# KiCad board RP2350_60QFN_minimal.kicad_pcb
title: RP2350A QFN-60 Minimal Design Example; date: 2024-07-04; rev: REV3; company: Raspberry Pi Ltd
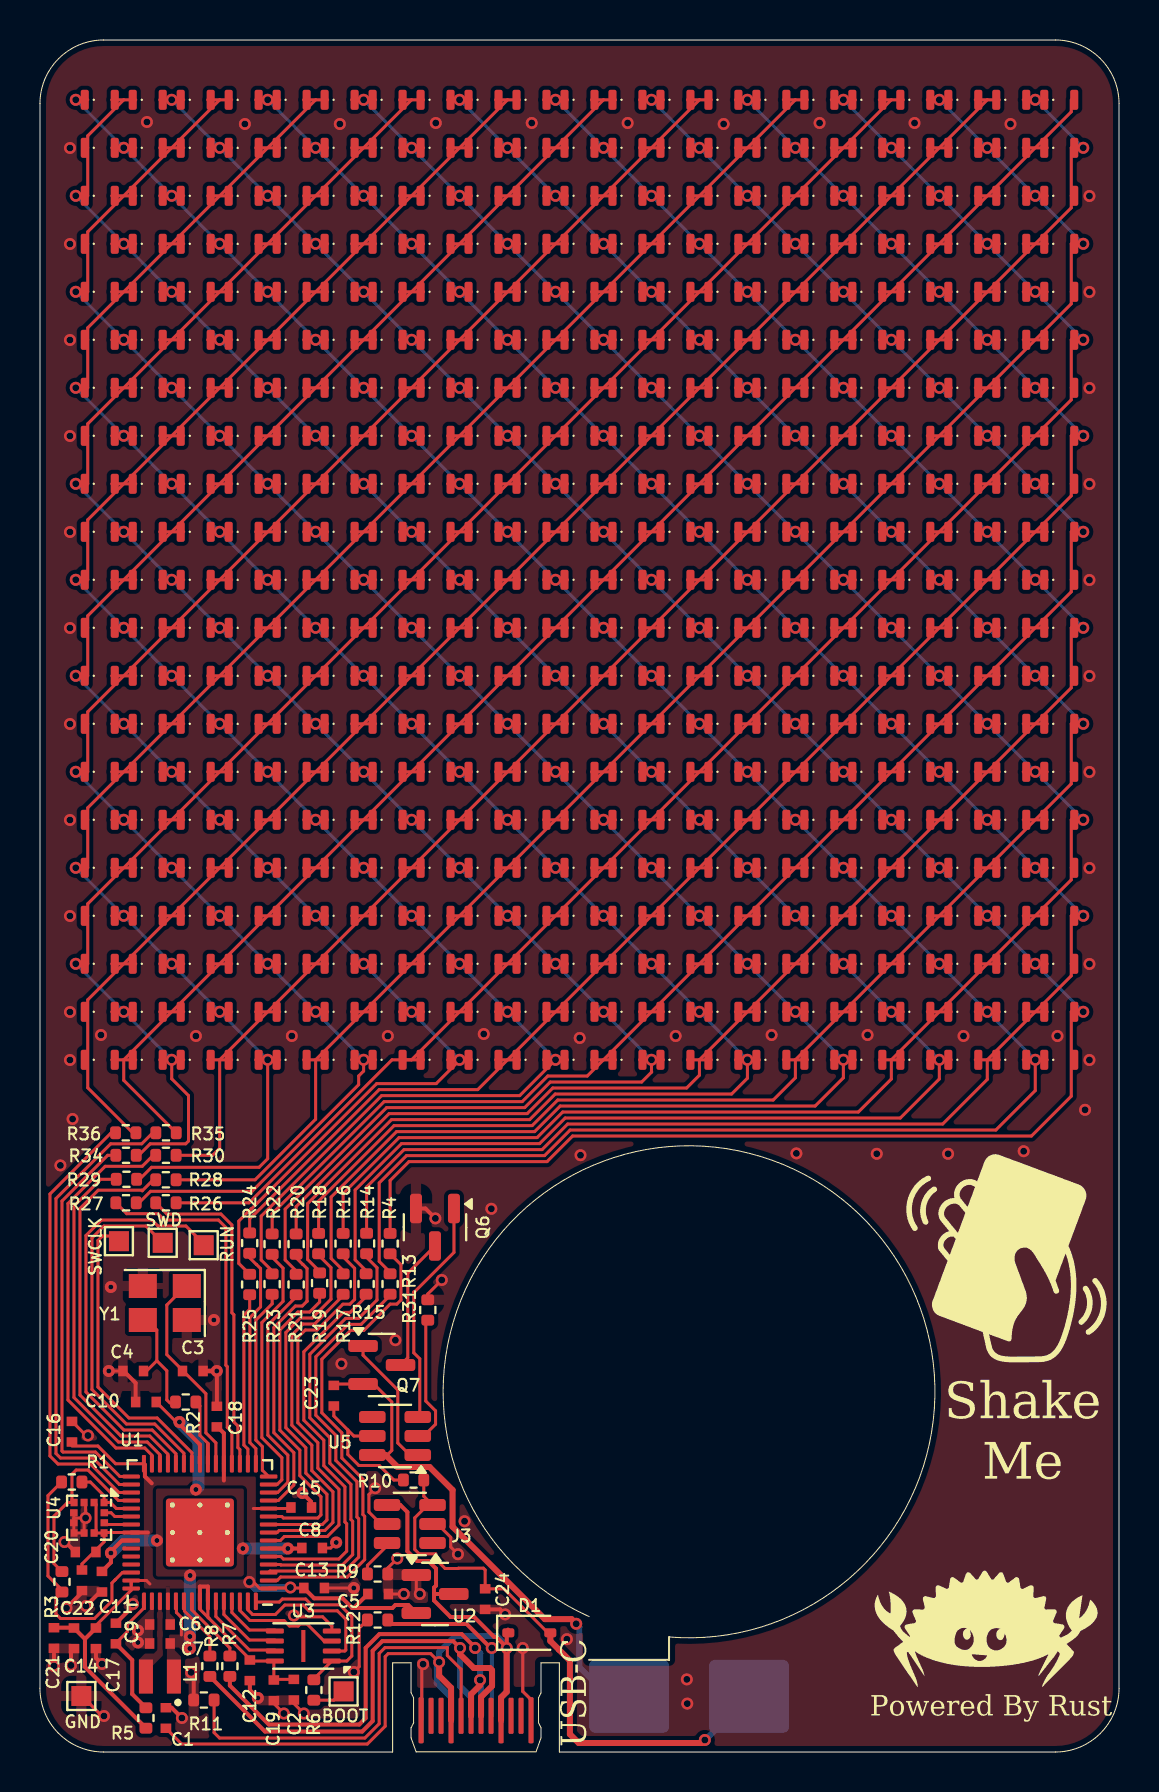
[diagram p0: board, top side]
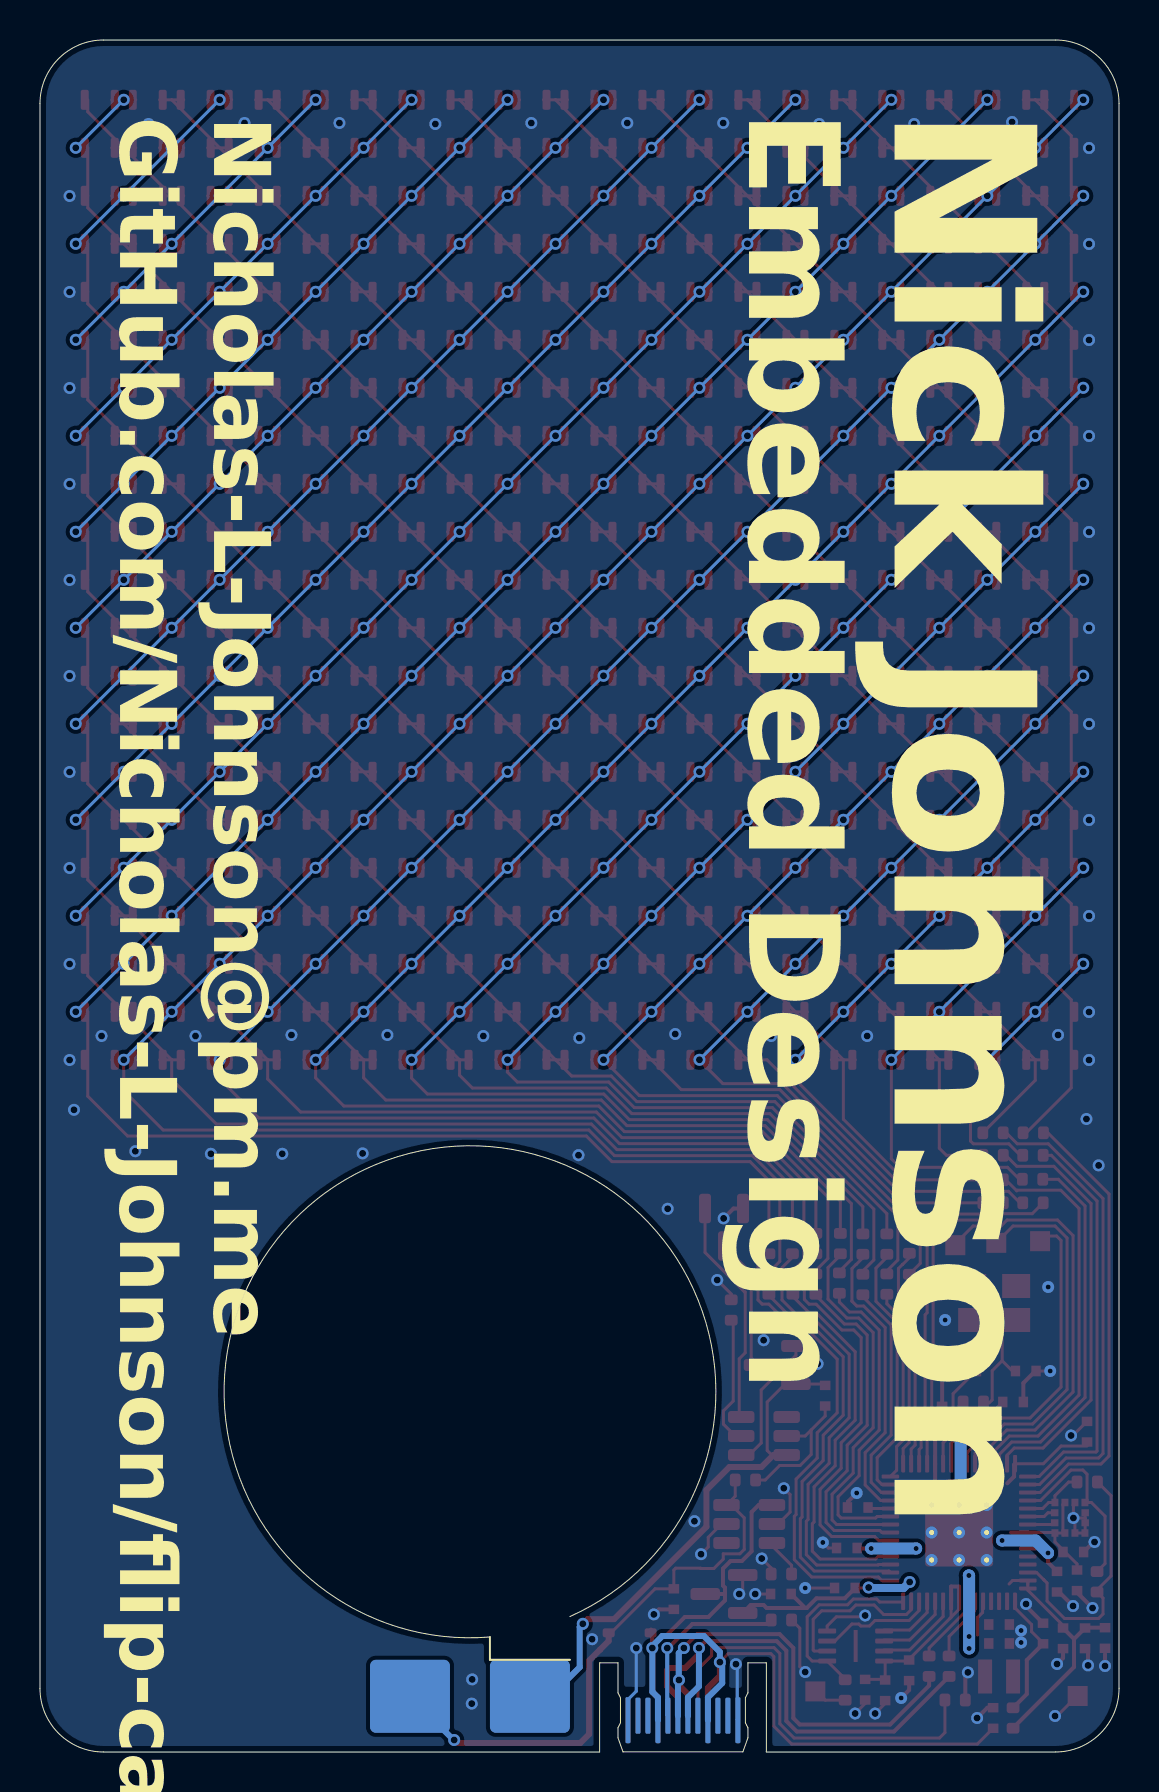
[diagram p1: board, bottom side, seen from below]

Outline 53.98 x 85.6 mm; copper layers: Top, Bottom. Coordinates in mm from the lower left corner of the outline.
Outline path: 18.57,4.46 17.64,4.46 17.64,0 3.18,0 arc(0.93,0.93) 0,3.18 0,82.42 arc(0.93,84.67) 3.18,85.6 50.8,85.6 arc(53.05,84.67) 53.98,82.42 53.98,3.18 arc(53.05,0.93) 50.8,0 25.98,0 25.98,4.46 25.07,4.46
Stack: Top 0.035mm / dielectric 0.51mm FR4 er 4.5 / Bottom 0.035mm

## Placement (name value [footprint] x y rotation side)
BOOT  TestPoint  [TestPoint_Pad_1.0x1.0mm]  15.19 3.03 0 top
BT1  Battery_Cell  [BatteryHolder_Custom]  32.47 18.01 270 top
C1  1u  [C_0402_1005Metric_small_pads]  6.3 1.7 90 top
C2  100n  [C_0402_1005Metric_small_pads]  12.7 3.11 270 top
C3  15p  [C_0402_1005Metric_small_pads]  7.64 19.05 0 top
C4  15p  [C_0402_1005Metric_small_pads]  4.67 19.05 180 top
C5  1u  [C_0402_1005Metric_small_pads]  16.91 7.9 0 top
C6  4.7u  [C_0402_1005Metric_small_pads]  6 6.38 180 top
C7  4.7u  [C_0402_1005Metric_small_pads]  6 5.42 180 top
C8  100n  [C_0402_1005Metric_small_pads]  13.62 10.2 0 top
C9  4.7u  [C_0402_1005Metric_small_pads]  3.8 5.92 90 top
C10  4.7u  [C_0402_1005Metric_small_pads]  5.3 17.5 180 top
C11  100n  [C_0402_1005Metric_small_pads]  3.1 8.52 270 top
C12  100n  [C_0402_1005Metric_small_pads]  10.5 4.08 270 top
C13  100n  [C_0402_1005Metric_small_pads]  13.71 8.2 0 top
C14  100n  [C_0402_1005Metric_small_pads]  1.7 5.68 270 top
C15  100n  [C_0402_1005Metric_small_pads]  13.07 12.22 0 top
C16  100n  [C_0402_1005Metric_small_pads]  1.6 16.02 90 top
C17  100n  [C_0402_1005Metric_small_pads]  2.8 5.68 270 top
C18  100n  [C_0402_1005Metric_small_pads]  8.85 16.77 90 top
C19  10u  [C_0402_1005Metric_small_pads]  11.7 3.08 270 top
C20  100n  [C_0402_1005Metric_small_pads]  2.29 10 0 top
C21  100n  [C_0402_1005Metric_small_pads]  0.7 5.7 90 top
C22  10u  [C_0402_1005Metric_small_pads]  2.1 8.58 270 top
C23  100n  [C_0402_1005Metric_small_pads]  14.7 17.81 90 top
C24  1u  [C_0402_1005Metric_small_pads]  22.27 7.64 270 top
D1  Schottky Diode  [D_SOD-323]  24.48 5.96 0 top
D101  LED  [LED_0603_1608Metric]  2.99 34.61 0 top
D102  LED  [LED_0603_1608Metric]  2.99 37.01 0 top
D103  LED  [LED_0603_1608Metric]  2.99 39.41 0 top
D104  LED  [LED_0603_1608Metric]  2.99 41.81 0 top
D105  LED  [LED_0603_1608Metric]  2.99 44.21 0 top
D106  LED  [LED_0603_1608Metric]  2.99 46.61 0 top
D107  LED  [LED_0603_1608Metric]  2.99 49.01 0 top
D108  LED  [LED_0603_1608Metric]  2.99 51.41 0 top
D109  LED  [LED_0603_1608Metric]  2.99 53.81 0 top
D110  LED  [LED_0603_1608Metric]  2.99 56.21 0 top
D111  LED  [LED_0603_1608Metric]  2.99 58.61 0 top
D112  LED  [LED_0603_1608Metric]  2.99 61.01 0 top
D113  LED  [LED_0603_1608Metric]  2.99 63.41 0 top
D114  LED  [LED_0603_1608Metric]  2.99 65.81 0 top
D115  LED  [LED_0603_1608Metric]  2.99 68.21 0 top
D116  LED  [LED_0603_1608Metric]  2.99 70.61 0 top
D117  LED  [LED_0603_1608Metric]  2.99 73.01 0 top
D118  LED  [LED_0603_1608Metric]  2.99 75.41 0 top
D119  LED  [LED_0603_1608Metric]  2.99 77.81 0 top
D120  LED  [LED_0603_1608Metric]  2.99 80.21 0 top
D121  LED  [LED_0603_1608Metric]  2.99 82.61 0 top
D122  LED  [LED_0603_1608Metric]  5.39 34.61 0 top
D123  LED  [LED_0603_1608Metric]  5.39 37.01 0 top
D124  LED  [LED_0603_1608Metric]  5.39 39.41 0 top
D125  LED  [LED_0603_1608Metric]  5.39 41.81 0 top
D126  LED  [LED_0603_1608Metric]  5.39 44.21 0 top
D127  LED  [LED_0603_1608Metric]  5.39 46.61 0 top
D128  LED  [LED_0603_1608Metric]  5.39 49.01 0 top
D129  LED  [LED_0603_1608Metric]  5.39 51.41 0 top
D130  LED  [LED_0603_1608Metric]  5.39 53.81 0 top
D131  LED  [LED_0603_1608Metric]  5.39 56.21 0 top
D132  LED  [LED_0603_1608Metric]  5.39 58.61 0 top
D133  LED  [LED_0603_1608Metric]  5.39 61.01 0 top
D134  LED  [LED_0603_1608Metric]  5.39 63.41 0 top
D135  LED  [LED_0603_1608Metric]  5.39 65.81 0 top
D136  LED  [LED_0603_1608Metric]  5.39 68.21 0 top
D137  LED  [LED_0603_1608Metric]  5.39 70.61 0 top
D138  LED  [LED_0603_1608Metric]  5.39 73.01 0 top
D139  LED  [LED_0603_1608Metric]  5.39 75.41 0 top
D140  LED  [LED_0603_1608Metric]  5.39 77.81 0 top
D141  LED  [LED_0603_1608Metric]  5.39 80.21 0 top
D142  LED  [LED_0603_1608Metric]  5.39 82.61 0 top
D143  LED  [LED_0603_1608Metric]  7.79 34.61 0 top
D144  LED  [LED_0603_1608Metric]  7.79 37.01 0 top
D145  LED  [LED_0603_1608Metric]  7.79 39.41 0 top
D146  LED  [LED_0603_1608Metric]  7.79 41.81 0 top
D147  LED  [LED_0603_1608Metric]  7.79 44.21 0 top
D148  LED  [LED_0603_1608Metric]  7.79 46.61 0 top
D149  LED  [LED_0603_1608Metric]  7.79 49.01 0 top
D150  LED  [LED_0603_1608Metric]  7.79 51.41 0 top
D151  LED  [LED_0603_1608Metric]  7.79 53.81 0 top
D152  LED  [LED_0603_1608Metric]  7.79 56.21 0 top
D153  LED  [LED_0603_1608Metric]  7.79 58.61 0 top
D154  LED  [LED_0603_1608Metric]  7.79 61.01 0 top
D155  LED  [LED_0603_1608Metric]  7.79 63.41 0 top
D156  LED  [LED_0603_1608Metric]  7.79 65.81 0 top
D157  LED  [LED_0603_1608Metric]  7.79 68.21 0 top
D158  LED  [LED_0603_1608Metric]  7.79 70.61 0 top
D159  LED  [LED_0603_1608Metric]  7.79 73.01 0 top
D160  LED  [LED_0603_1608Metric]  7.79 75.41 0 top
D161  LED  [LED_0603_1608Metric]  7.79 77.81 0 top
D162  LED  [LED_0603_1608Metric]  7.79 80.21 0 top
D163  LED  [LED_0603_1608Metric]  7.79 82.61 0 top
D164  LED  [LED_0603_1608Metric]  10.19 34.61 0 top
D165  LED  [LED_0603_1608Metric]  10.19 37.01 0 top
D166  LED  [LED_0603_1608Metric]  10.19 39.41 0 top
D167  LED  [LED_0603_1608Metric]  10.19 41.81 0 top
D168  LED  [LED_0603_1608Metric]  10.19 44.21 0 top
D169  LED  [LED_0603_1608Metric]  10.19 46.61 0 top
D170  LED  [LED_0603_1608Metric]  10.19 49.01 0 top
D171  LED  [LED_0603_1608Metric]  10.19 51.41 0 top
D172  LED  [LED_0603_1608Metric]  10.19 53.81 0 top
D173  LED  [LED_0603_1608Metric]  10.19 56.21 0 top
D174  LED  [LED_0603_1608Metric]  10.19 58.61 0 top
D175  LED  [LED_0603_1608Metric]  10.19 61.01 0 top
D176  LED  [LED_0603_1608Metric]  10.19 63.41 0 top
D177  LED  [LED_0603_1608Metric]  10.19 65.81 0 top
D178  LED  [LED_0603_1608Metric]  10.19 68.21 0 top
D179  LED  [LED_0603_1608Metric]  10.19 70.61 0 top
D180  LED  [LED_0603_1608Metric]  10.19 73.01 0 top
D181  LED  [LED_0603_1608Metric]  10.19 75.41 0 top
D182  LED  [LED_0603_1608Metric]  10.19 77.81 0 top
D183  LED  [LED_0603_1608Metric]  10.19 80.21 0 top
D184  LED  [LED_0603_1608Metric]  10.19 82.61 0 top
D185  LED  [LED_0603_1608Metric]  12.59 34.61 0 top
D186  LED  [LED_0603_1608Metric]  12.59 37.01 0 top
D187  LED  [LED_0603_1608Metric]  12.59 39.41 0 top
D188  LED  [LED_0603_1608Metric]  12.59 41.81 0 top
D189  LED  [LED_0603_1608Metric]  12.59 44.21 0 top
D190  LED  [LED_0603_1608Metric]  12.59 46.61 0 top
D191  LED  [LED_0603_1608Metric]  12.59 49.01 0 top
D192  LED  [LED_0603_1608Metric]  12.59 51.41 0 top
D193  LED  [LED_0603_1608Metric]  12.59 53.81 0 top
D194  LED  [LED_0603_1608Metric]  12.59 56.21 0 top
D195  LED  [LED_0603_1608Metric]  12.59 58.61 0 top
D196  LED  [LED_0603_1608Metric]  12.59 61.01 0 top
D197  LED  [LED_0603_1608Metric]  12.59 63.41 0 top
D198  LED  [LED_0603_1608Metric]  12.59 65.81 0 top
D199  LED  [LED_0603_1608Metric]  12.59 68.21 0 top
D200  LED  [LED_0603_1608Metric]  12.59 70.61 0 top
D201  LED  [LED_0603_1608Metric]  12.59 73.01 0 top
D202  LED  [LED_0603_1608Metric]  12.59 75.41 0 top
D203  LED  [LED_0603_1608Metric]  12.59 77.81 0 top
D204  LED  [LED_0603_1608Metric]  12.59 80.21 0 top
D205  LED  [LED_0603_1608Metric]  12.59 82.61 0 top
D206  LED  [LED_0603_1608Metric]  14.99 34.61 0 top
D207  LED  [LED_0603_1608Metric]  14.99 37.01 0 top
D208  LED  [LED_0603_1608Metric]  14.99 39.41 0 top
D209  LED  [LED_0603_1608Metric]  14.99 41.81 0 top
D210  LED  [LED_0603_1608Metric]  14.99 44.21 0 top
D211  LED  [LED_0603_1608Metric]  14.99 46.61 0 top
D212  LED  [LED_0603_1608Metric]  14.99 49.01 0 top
D213  LED  [LED_0603_1608Metric]  14.99 51.41 0 top
D214  LED  [LED_0603_1608Metric]  14.99 53.81 0 top
D215  LED  [LED_0603_1608Metric]  14.99 56.21 0 top
D216  LED  [LED_0603_1608Metric]  14.99 58.61 0 top
D217  LED  [LED_0603_1608Metric]  14.99 61.01 0 top
D218  LED  [LED_0603_1608Metric]  14.99 63.41 0 top
D219  LED  [LED_0603_1608Metric]  14.99 65.81 0 top
D220  LED  [LED_0603_1608Metric]  14.99 68.21 0 top
D221  LED  [LED_0603_1608Metric]  14.99 70.61 0 top
D222  LED  [LED_0603_1608Metric]  14.99 73.01 0 top
D223  LED  [LED_0603_1608Metric]  14.99 75.41 0 top
D224  LED  [LED_0603_1608Metric]  14.99 77.81 0 top
D225  LED  [LED_0603_1608Metric]  14.99 80.21 0 top
D226  LED  [LED_0603_1608Metric]  14.99 82.61 0 top
D227  LED  [LED_0603_1608Metric]  17.39 34.61 0 top
D228  LED  [LED_0603_1608Metric]  17.39 37.01 0 top
D229  LED  [LED_0603_1608Metric]  17.39 39.41 0 top
D230  LED  [LED_0603_1608Metric]  17.39 41.81 0 top
D231  LED  [LED_0603_1608Metric]  17.39 44.21 0 top
D232  LED  [LED_0603_1608Metric]  17.39 46.61 0 top
D233  LED  [LED_0603_1608Metric]  17.39 49.01 0 top
D234  LED  [LED_0603_1608Metric]  17.39 51.41 0 top
D235  LED  [LED_0603_1608Metric]  17.39 53.81 0 top
D236  LED  [LED_0603_1608Metric]  17.39 56.21 0 top
D237  LED  [LED_0603_1608Metric]  17.39 58.61 0 top
D238  LED  [LED_0603_1608Metric]  17.39 61.01 0 top
D239  LED  [LED_0603_1608Metric]  17.39 63.41 0 top
D240  LED  [LED_0603_1608Metric]  17.39 65.81 0 top
D241  LED  [LED_0603_1608Metric]  17.39 68.21 0 top
D242  LED  [LED_0603_1608Metric]  17.39 70.61 0 top
D243  LED  [LED_0603_1608Metric]  17.39 73.01 0 top
D244  LED  [LED_0603_1608Metric]  17.39 75.41 0 top
D245  LED  [LED_0603_1608Metric]  17.39 77.81 0 top
D246  LED  [LED_0603_1608Metric]  17.39 80.21 0 top
D247  LED  [LED_0603_1608Metric]  17.39 82.61 0 top
D248  LED  [LED_0603_1608Metric]  19.79 34.61 0 top
D249  LED  [LED_0603_1608Metric]  19.79 37.01 0 top
D250  LED  [LED_0603_1608Metric]  19.79 39.41 0 top
D251  LED  [LED_0603_1608Metric]  19.79 41.81 0 top
D252  LED  [LED_0603_1608Metric]  19.79 44.21 0 top
D253  LED  [LED_0603_1608Metric]  19.79 46.61 0 top
D254  LED  [LED_0603_1608Metric]  19.79 49.01 0 top
D255  LED  [LED_0603_1608Metric]  19.79 51.41 0 top
D256  LED  [LED_0603_1608Metric]  19.79 53.81 0 top
D257  LED  [LED_0603_1608Metric]  19.79 56.21 0 top
D258  LED  [LED_0603_1608Metric]  19.79 58.61 0 top
D259  LED  [LED_0603_1608Metric]  19.79 61.01 0 top
D260  LED  [LED_0603_1608Metric]  19.79 63.41 0 top
D261  LED  [LED_0603_1608Metric]  19.79 65.81 0 top
D262  LED  [LED_0603_1608Metric]  19.79 68.21 0 top
D263  LED  [LED_0603_1608Metric]  19.79 70.61 0 top
D264  LED  [LED_0603_1608Metric]  19.79 73.01 0 top
D265  LED  [LED_0603_1608Metric]  19.79 75.41 0 top
D266  LED  [LED_0603_1608Metric]  19.79 77.81 0 top
D267  LED  [LED_0603_1608Metric]  19.79 80.21 0 top
D268  LED  [LED_0603_1608Metric]  19.79 82.61 0 top
D269  LED  [LED_0603_1608Metric]  22.19 34.61 0 top
D270  LED  [LED_0603_1608Metric]  22.19 37.01 0 top
D271  LED  [LED_0603_1608Metric]  22.19 39.41 0 top
D272  LED  [LED_0603_1608Metric]  22.19 41.81 0 top
D273  LED  [LED_0603_1608Metric]  22.19 44.21 0 top
D274  LED  [LED_0603_1608Metric]  22.19 46.61 0 top
D275  LED  [LED_0603_1608Metric]  22.19 49.01 0 top
D276  LED  [LED_0603_1608Metric]  22.19 51.41 0 top
D277  LED  [LED_0603_1608Metric]  22.19 53.81 0 top
D278  LED  [LED_0603_1608Metric]  22.19 56.21 0 top
D279  LED  [LED_0603_1608Metric]  22.19 58.61 0 top
D280  LED  [LED_0603_1608Metric]  22.19 61.01 0 top
D281  LED  [LED_0603_1608Metric]  22.19 63.41 0 top
D282  LED  [LED_0603_1608Metric]  22.19 65.81 0 top
D283  LED  [LED_0603_1608Metric]  22.19 68.21 0 top
D284  LED  [LED_0603_1608Metric]  22.19 70.61 0 top
D285  LED  [LED_0603_1608Metric]  22.19 73.01 0 top
D286  LED  [LED_0603_1608Metric]  22.19 75.41 0 top
D287  LED  [LED_0603_1608Metric]  22.19 77.81 0 top
D288  LED  [LED_0603_1608Metric]  22.19 80.21 0 top
D289  LED  [LED_0603_1608Metric]  22.19 82.61 0 top
D290  LED  [LED_0603_1608Metric]  24.59 34.61 0 top
D291  LED  [LED_0603_1608Metric]  24.59 37.01 0 top
D292  LED  [LED_0603_1608Metric]  24.59 39.41 0 top
D293  LED  [LED_0603_1608Metric]  24.59 41.81 0 top
D294  LED  [LED_0603_1608Metric]  24.59 44.21 0 top
D295  LED  [LED_0603_1608Metric]  24.59 46.61 0 top
D296  LED  [LED_0603_1608Metric]  24.59 49.01 0 top
D297  LED  [LED_0603_1608Metric]  24.59 51.41 0 top
D298  LED  [LED_0603_1608Metric]  24.59 53.81 0 top
D299  LED  [LED_0603_1608Metric]  24.59 56.21 0 top
D300  LED  [LED_0603_1608Metric]  24.59 58.61 0 top
D301  LED  [LED_0603_1608Metric]  24.59 61.01 0 top
D302  LED  [LED_0603_1608Metric]  24.59 63.41 0 top
D303  LED  [LED_0603_1608Metric]  24.59 65.81 0 top
D304  LED  [LED_0603_1608Metric]  24.59 68.21 0 top
D305  LED  [LED_0603_1608Metric]  24.59 70.61 0 top
D306  LED  [LED_0603_1608Metric]  24.59 73.01 0 top
D307  LED  [LED_0603_1608Metric]  24.59 75.41 0 top
D308  LED  [LED_0603_1608Metric]  24.59 77.81 0 top
D309  LED  [LED_0603_1608Metric]  24.59 80.21 0 top
D310  LED  [LED_0603_1608Metric]  24.59 82.61 0 top
D311  LED  [LED_0603_1608Metric]  26.99 34.61 0 top
D312  LED  [LED_0603_1608Metric]  26.99 37.01 0 top
D313  LED  [LED_0603_1608Metric]  26.99 39.41 0 top
D314  LED  [LED_0603_1608Metric]  26.99 41.81 0 top
D315  LED  [LED_0603_1608Metric]  26.99 44.21 0 top
D316  LED  [LED_0603_1608Metric]  26.99 46.61 0 top
D317  LED  [LED_0603_1608Metric]  26.99 49.01 0 top
D318  LED  [LED_0603_1608Metric]  26.99 51.41 0 top
D319  LED  [LED_0603_1608Metric]  26.99 53.81 0 top
D320  LED  [LED_0603_1608Metric]  26.99 56.21 0 top
D321  LED  [LED_0603_1608Metric]  26.99 58.61 0 top
D322  LED  [LED_0603_1608Metric]  26.99 61.01 0 top
D323  LED  [LED_0603_1608Metric]  26.99 63.41 0 top
D324  LED  [LED_0603_1608Metric]  26.99 65.81 0 top
D325  LED  [LED_0603_1608Metric]  26.99 68.21 0 top
D326  LED  [LED_0603_1608Metric]  26.99 70.61 0 top
D327  LED  [LED_0603_1608Metric]  26.99 73.01 0 top
D328  LED  [LED_0603_1608Metric]  26.99 75.41 0 top
D329  LED  [LED_0603_1608Metric]  26.99 77.81 0 top
D330  LED  [LED_0603_1608Metric]  26.99 80.21 0 top
D331  LED  [LED_0603_1608Metric]  26.99 82.61 0 top
D332  LED  [LED_0603_1608Metric]  29.39 34.61 0 top
D333  LED  [LED_0603_1608Metric]  29.39 37.01 0 top
D334  LED  [LED_0603_1608Metric]  29.39 39.41 0 top
D335  LED  [LED_0603_1608Metric]  29.39 41.81 0 top
D336  LED  [LED_0603_1608Metric]  29.39 44.21 0 top
D337  LED  [LED_0603_1608Metric]  29.39 46.61 0 top
D338  LED  [LED_0603_1608Metric]  29.39 49.01 0 top
D339  LED  [LED_0603_1608Metric]  29.39 51.41 0 top
D340  LED  [LED_0603_1608Metric]  29.39 53.81 0 top
D341  LED  [LED_0603_1608Metric]  29.39 56.21 0 top
D342  LED  [LED_0603_1608Metric]  29.39 58.61 0 top
D343  LED  [LED_0603_1608Metric]  29.39 61.01 0 top
D344  LED  [LED_0603_1608Metric]  29.39 63.41 0 top
D345  LED  [LED_0603_1608Metric]  29.39 65.81 0 top
D346  LED  [LED_0603_1608Metric]  29.39 68.21 0 top
D347  LED  [LED_0603_1608Metric]  29.39 70.61 0 top
D348  LED  [LED_0603_1608Metric]  29.39 73.01 0 top
D349  LED  [LED_0603_1608Metric]  29.39 75.41 0 top
D350  LED  [LED_0603_1608Metric]  29.39 77.81 0 top
D351  LED  [LED_0603_1608Metric]  29.39 80.21 0 top
D352  LED  [LED_0603_1608Metric]  29.39 82.61 0 top
D353  LED  [LED_0603_1608Metric]  31.79 34.61 0 top
D354  LED  [LED_0603_1608Metric]  31.79 37.01 0 top
D355  LED  [LED_0603_1608Metric]  31.79 39.41 0 top
D356  LED  [LED_0603_1608Metric]  31.79 41.81 0 top
D357  LED  [LED_0603_1608Metric]  31.79 44.21 0 top
D358  LED  [LED_0603_1608Metric]  31.79 46.61 0 top
D359  LED  [LED_0603_1608Metric]  31.79 49.01 0 top
D360  LED  [LED_0603_1608Metric]  31.79 51.41 0 top
D361  LED  [LED_0603_1608Metric]  31.79 53.81 0 top
D362  LED  [LED_0603_1608Metric]  31.79 56.21 0 top
D363  LED  [LED_0603_1608Metric]  31.79 58.61 0 top
D364  LED  [LED_0603_1608Metric]  31.79 61.01 0 top
D365  LED  [LED_0603_1608Metric]  31.79 63.41 0 top
D366  LED  [LED_0603_1608Metric]  31.79 65.81 0 top
D367  LED  [LED_0603_1608Metric]  31.79 68.21 0 top
D368  LED  [LED_0603_1608Metric]  31.79 70.61 0 top
D369  LED  [LED_0603_1608Metric]  31.79 73.01 0 top
D370  LED  [LED_0603_1608Metric]  31.79 75.41 0 top
D371  LED  [LED_0603_1608Metric]  31.79 77.81 0 top
D372  LED  [LED_0603_1608Metric]  31.79 80.21 0 top
D373  LED  [LED_0603_1608Metric]  31.79 82.61 0 top
D374  LED  [LED_0603_1608Metric]  34.19 34.61 0 top
D375  LED  [LED_0603_1608Metric]  34.19 37.01 0 top
D376  LED  [LED_0603_1608Metric]  34.19 39.41 0 top
D377  LED  [LED_0603_1608Metric]  34.19 41.81 0 top
D378  LED  [LED_0603_1608Metric]  34.19 44.21 0 top
D379  LED  [LED_0603_1608Metric]  34.19 46.61 0 top
D380  LED  [LED_0603_1608Metric]  34.19 49.01 0 top
D381  LED  [LED_0603_1608Metric]  34.19 51.41 0 top
D382  LED  [LED_0603_1608Metric]  34.19 53.81 0 top
D383  LED  [LED_0603_1608Metric]  34.19 56.21 0 top
D384  LED  [LED_0603_1608Metric]  34.19 58.61 0 top
D385  LED  [LED_0603_1608Metric]  34.19 61.01 0 top
D386  LED  [LED_0603_1608Metric]  34.19 63.41 0 top
D387  LED  [LED_0603_1608Metric]  34.19 65.81 0 top
D388  LED  [LED_0603_1608Metric]  34.19 68.21 0 top
D389  LED  [LED_0603_1608Metric]  34.19 70.61 0 top
D390  LED  [LED_0603_1608Metric]  34.19 73.01 0 top
D391  LED  [LED_0603_1608Metric]  34.19 75.41 0 top
D392  LED  [LED_0603_1608Metric]  34.19 77.81 0 top
D393  LED  [LED_0603_1608Metric]  34.19 80.21 0 top
D394  LED  [LED_0603_1608Metric]  34.19 82.61 0 top
D395  LED  [LED_0603_1608Metric]  36.59 34.61 0 top
D396  LED  [LED_0603_1608Metric]  36.59 37.01 0 top
D397  LED  [LED_0603_1608Metric]  36.59 39.41 0 top
D398  LED  [LED_0603_1608Metric]  36.59 41.81 0 top
D399  LED  [LED_0603_1608Metric]  36.59 44.21 0 top
D400  LED  [LED_0603_1608Metric]  36.59 46.61 0 top
D401  LED  [LED_0603_1608Metric]  36.59 49.01 0 top
D402  LED  [LED_0603_1608Metric]  36.59 51.41 0 top
D403  LED  [LED_0603_1608Metric]  36.59 53.81 0 top
D404  LED  [LED_0603_1608Metric]  36.59 56.21 0 top
D405  LED  [LED_0603_1608Metric]  36.59 58.61 0 top
D406  LED  [LED_0603_1608Metric]  36.59 61.01 0 top
D407  LED  [LED_0603_1608Metric]  36.59 63.41 0 top
D408  LED  [LED_0603_1608Metric]  36.59 65.81 0 top
D409  LED  [LED_0603_1608Metric]  36.59 68.21 0 top
D410  LED  [LED_0603_1608Metric]  36.59 70.61 0 top
D411  LED  [LED_0603_1608Metric]  36.59 73.01 0 top
D412  LED  [LED_0603_1608Metric]  36.59 75.41 0 top
D413  LED  [LED_0603_1608Metric]  36.59 77.81 0 top
D414  LED  [LED_0603_1608Metric]  36.59 80.21 0 top
D415  LED  [LED_0603_1608Metric]  36.59 82.61 0 top
D416  LED  [LED_0603_1608Metric]  38.99 34.61 0 top
D417  LED  [LED_0603_1608Metric]  38.99 37.01 0 top
D418  LED  [LED_0603_1608Metric]  38.99 39.41 0 top
D419  LED  [LED_0603_1608Metric]  38.99 41.81 0 top
D420  LED  [LED_0603_1608Metric]  38.99 44.21 0 top
D421  LED  [LED_0603_1608Metric]  38.99 46.61 0 top
D422  LED  [LED_0603_1608Metric]  38.99 49.01 0 top
D423  LED  [LED_0603_1608Metric]  38.99 51.41 0 top
D424  LED  [LED_0603_1608Metric]  38.99 53.81 0 top
D425  LED  [LED_0603_1608Metric]  38.99 56.21 0 top
D426  LED  [LED_0603_1608Metric]  38.99 58.61 0 top
D427  LED  [LED_0603_1608Metric]  38.99 61.01 0 top
D428  LED  [LED_0603_1608Metric]  38.99 63.41 0 top
D429  LED  [LED_0603_1608Metric]  38.99 65.81 0 top
D430  LED  [LED_0603_1608Metric]  38.99 68.21 0 top
D431  LED  [LED_0603_1608Metric]  38.99 70.61 0 top
D432  LED  [LED_0603_1608Metric]  38.99 73.01 0 top
D433  LED  [LED_0603_1608Metric]  38.99 75.41 0 top
D434  LED  [LED_0603_1608Metric]  38.99 77.81 0 top
D435  LED  [LED_0603_1608Metric]  38.99 80.21 0 top
D436  LED  [LED_0603_1608Metric]  38.99 82.61 0 top
D437  LED  [LED_0603_1608Metric]  41.39 34.61 0 top
D438  LED  [LED_0603_1608Metric]  41.39 37.01 0 top
D439  LED  [LED_0603_1608Metric]  41.39 39.41 0 top
D440  LED  [LED_0603_1608Metric]  41.39 41.81 0 top
D441  LED  [LED_0603_1608Metric]  41.39 44.21 0 top
D442  LED  [LED_0603_1608Metric]  41.39 46.61 0 top
D443  LED  [LED_0603_1608Metric]  41.39 49.01 0 top
D444  LED  [LED_0603_1608Metric]  41.39 51.41 0 top
D445  LED  [LED_0603_1608Metric]  41.39 53.81 0 top
D446  LED  [LED_0603_1608Metric]  41.39 56.21 0 top
D447  LED  [LED_0603_1608Metric]  41.39 58.61 0 top
D448  LED  [LED_0603_1608Metric]  41.39 61.01 0 top
D449  LED  [LED_0603_1608Metric]  41.39 63.41 0 top
D450  LED  [LED_0603_1608Metric]  41.39 65.81 0 top
D451  LED  [LED_0603_1608Metric]  41.39 68.21 0 top
D452  LED  [LED_0603_1608Metric]  41.39 70.61 0 top
D453  LED  [LED_0603_1608Metric]  41.39 73.01 0 top
D454  LED  [LED_0603_1608Metric]  41.39 75.41 0 top
D455  LED  [LED_0603_1608Metric]  41.39 77.81 0 top
D456  LED  [LED_0603_1608Metric]  41.39 80.21 0 top
D457  LED  [LED_0603_1608Metric]  41.39 82.61 0 top
D458  LED  [LED_0603_1608Metric]  43.79 34.61 0 top
D459  LED  [LED_0603_1608Metric]  43.79 37.01 0 top
D460  LED  [LED_0603_1608Metric]  43.79 39.41 0 top
D461  LED  [LED_0603_1608Metric]  43.79 41.81 0 top
D462  LED  [LED_0603_1608Metric]  43.79 44.21 0 top
D463  LED  [LED_0603_1608Metric]  43.79 46.61 0 top
D464  LED  [LED_0603_1608Metric]  43.79 49.01 0 top
D465  LED  [LED_0603_1608Metric]  43.79 51.41 0 top
D466  LED  [LED_0603_1608Metric]  43.79 53.81 0 top